# KiCad board Quanta75_BareRP2040_JLCPCBAoptimized.kicad_pcb (continued)
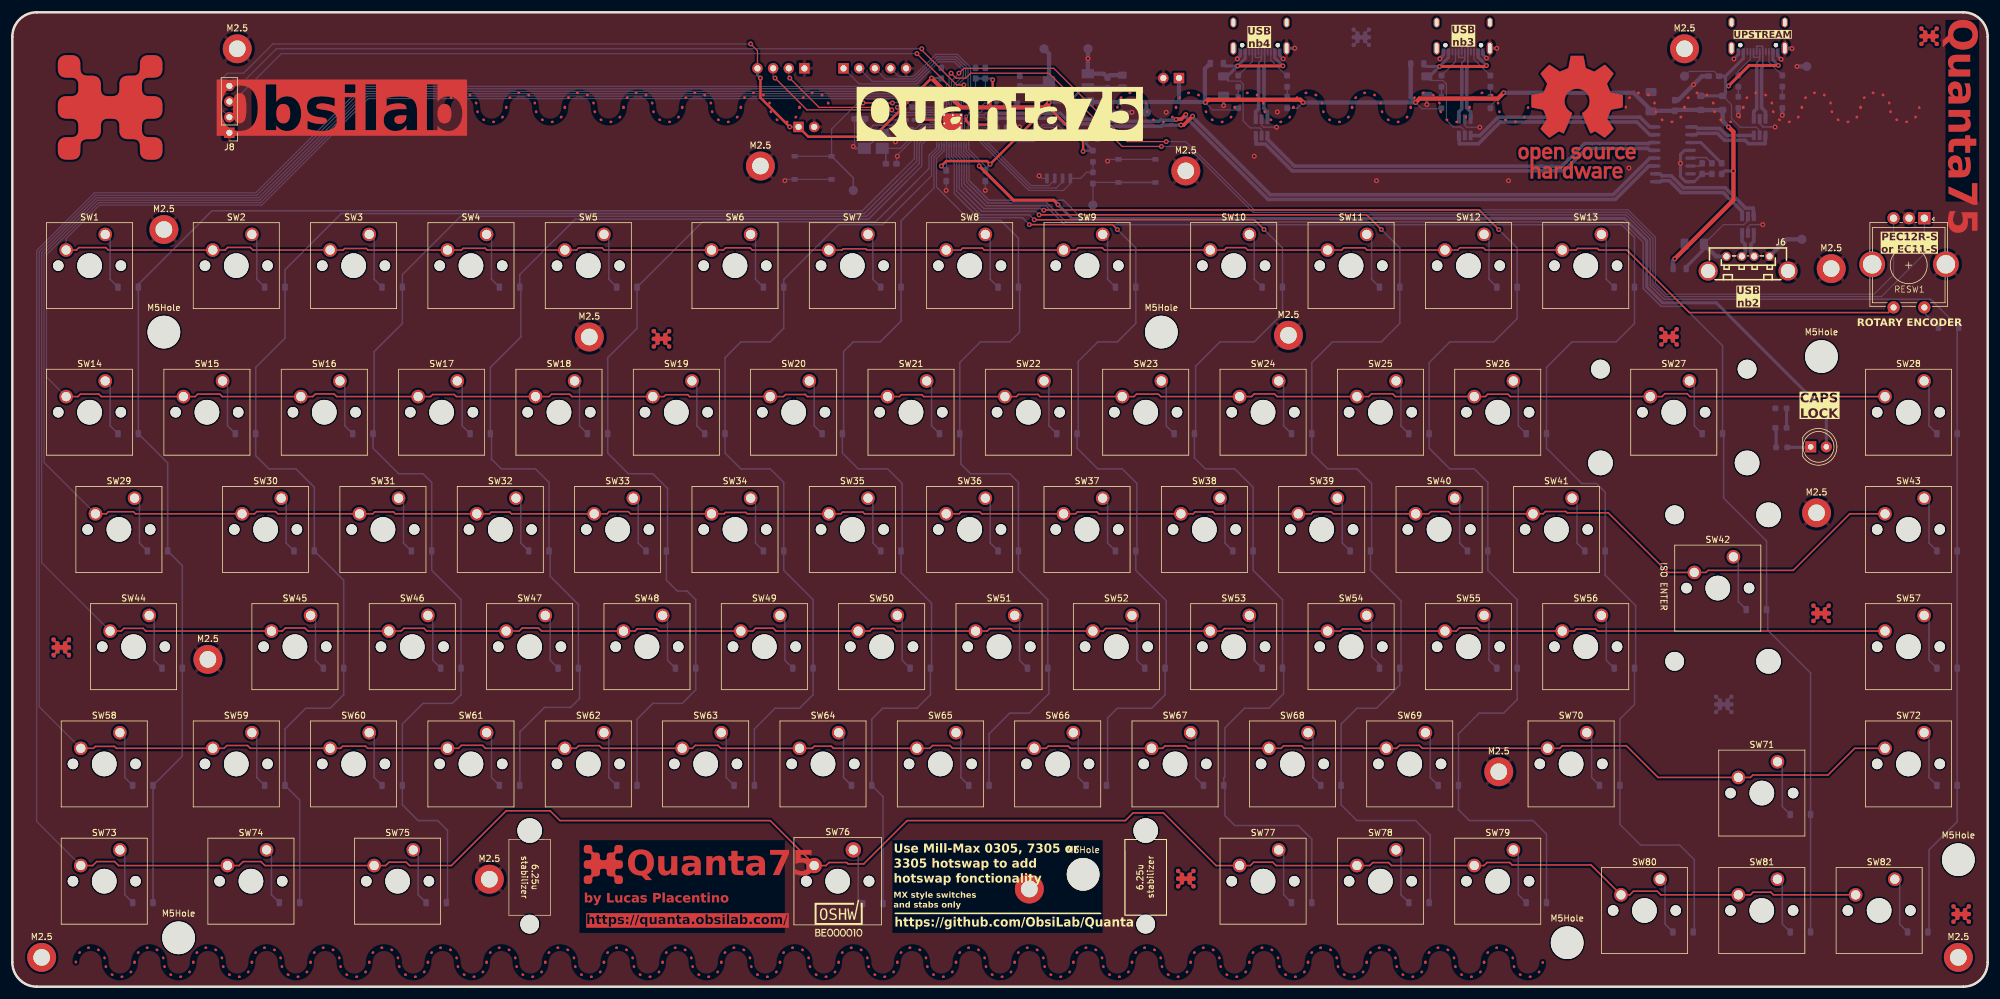
[diagram p0: board, top side]
## Routing (per net, layer and track width the routed paths; a pad name or vN(x,y) marks a point on that pad's centre or on a via; arc(x,y) is an arc through that point) (continued)
REA: length 191.6
  Top w0.2: v1(152.4,148.43) 153.19,147.64 154.78,147.64 155.58,148.43 168.28,148.43 180.18,136.53 v1(186.53,136.53)
  Bottom w0.2: RESW1.A 310.4,119.1 303.42,112.12 268.31,112.12 266.33,114.1 266.33,121.62 262.11,125.84 201.42,125.84 190.73,136.53 v1(186.53,136.53) ; v1(152.4,148.43) 152.06,148.09 U1.34
REB: length 188.1
  Top w0.2: v1(153.68,148.43) 154.47,149.22 169.07,149.22 180.98,137.32 v1(187.33,137.32)
  Bottom w0.2: v1(187.33,137.32) 190.5,137.32 201.58,126.24 262.28,126.24 266.73,121.79 266.73,114.27 268.48,112.52 302.23,112.52 305.4,115.69 RESW1.B ; 152.46,144.46 U1.35 152.46,147.21 v1(153.68,148.43)
Row1: length 457.4
  Top w0.25: RESW1.S1 304.56,109.54 272.26,109.54 262.1,119.7 257.58,119.7 257.32,119.96 254.1,119.96 253.83,119.7 SW13.2 239.15,119.7 238.77,120.08 235.02,120.08 234.64,119.7 SW12.2 219.9,119.7 219.53,120.07 216.17,120.07 215.79,119.7 SW11.2 200.55,119.7 200.16,120.09 197.12,120.09 196.73,119.7 SW10.2 177.31,119.7 176.93,120.08 173.04,120.08 172.65,119.7 SW9.2 157.77,119.7 157.44,120.03 157.42,120.01 154.27,120.01 153.96,119.7 SW8.2 138.74,119.7 138.55,119.89 134.9,119.89 134.7,119.7 SW7.2 120.13,119.7 119.76,120.07 115.81,120.07 115.44,119.7 SW6.2 96.09,119.7 95.73,120.06 91.95,120.06 91.59,119.7 SW5.2 77.03,119.7 76.74,119.99 76.73,119.98 73.18,119.98 72.9,119.7 SW4.2 57.72,119.7 57.47,119.95 53.95,119.95 53.69,119.7 SW3.2 39.06,119.7 38.64,120.12 34.97,120.12 34.55,119.7 SW2.2 15.58,119.7 15.17,120.1 10.8,120.1 10.4,119.7 SW1.2
  Bottom w0.2: SW1.2 8.73,121.56 14.17,127 40.48,127 57.78,144.3 146.44,144.3 148.27,142.47 U1.27
Row2: length 479.2
  Top w0.25: SW28.2 272.35,95.88 271.87,96.36 268.27,96.36 267.8,95.88 SW27.2 243.18,95.88 242.8,96.27 239.5,96.27 239.12,95.88 SW26.2 224.53,95.88 224.08,96.34 220.65,96.34 220.2,95.88 SW25.2 205.32,95.88 204.88,96.33 201.61,96.33 201.17,95.88 SW24.2 186.45,95.88 186.05,96.29 182.49,96.29 182.09,95.88 SW23.2 166.85,95.88 166.5,96.24 163.34,96.24 162.99,95.88 SW22.2 147.95,95.88 147.64,96.19 144.33,96.19 144.02,95.88 129.05,95.88 128.7,96.24 128.68,96.23 125.53,96.23 125.18,95.88 SW20.2 109.96,95.88 109.95,95.88 109.63,96.19 106.08,96.19 105.77,95.88 SW19.2 90.84,95.88 90.46,96.27 87.53,96.27 87.14,95.88 SW18.2 72.08,95.88 71.74,96.23 68.24,96.23 67.9,95.88 SW17.2 52.65,95.88 52.22,96.32 49.2,96.32 48.77,95.88 SW16.2 34.08,95.88 33.68,96.29 30.09,96.29 29.69,95.88 SW15.2 14.45,95.88 14.05,96.29 11.05,96.29 10.65,95.88 SW14.2
  Bottom w0.2: SW14.2 5.56,99.06 5.56,118.95 14,127.4 40.32,127.4 57.61,144.7 146.61,144.7 148.43,142.88 U1.28
Row3: length 504.3
  Top w0.25: SW29.2 15.27,76.84 15.61,77.18 19.66,77.18 20,76.84 SW30.2 39.33,76.84 39.69,77.2 42.72,77.2 43.09,76.84 SW31.2 58.52,76.84 58.83,77.15 61.87,77.15 62.18,76.84 SW32.2 77.47,76.84 77.75,77.12 80.75,77.12 81.04,76.84 SW33.2 96.54,76.84 96.9,77.2 100,77.2 100.36,76.84 SW34.2 115.54,76.84 115.76,77.06 119.09,77.06 119.31,76.84 SW35.2 134.49,76.84 134.77,77.12 138.07,77.12 138.36,76.84 SW36.2 153.71,76.84 154.03,77.16 157.03,77.16 157.38,76.8 157.41,76.84 SW37.2 172.6,76.84 172.9,77.14 176.07,77.14 176.37,76.84 SW38.2 191.71,76.84 192.01,77.14 194.88,77.14 195.18,76.84 SW39.2 210.84,76.84 211.17,77.16 214.12,77.16 214.44,76.84 SW40.2 229.92,76.84 230.28,77.2 233.16,77.2 233.52,76.84 SW41.2 248.5,76.84 248.88,77.21 252.19,77.21 252.41,76.99 259.08,76.99 268.76,67.31 SW42.2 274.96,67.31 275.3,67.65 289.11,67.65 298.29,76.84 SW43.2
  Bottom w0.2: U1.29 150.06,144.46 149.42,145.1 57.45,145.1 40.15,127.8 13.84,127.8 5.16,119.12 5.16,85.17 SW29.2
Row4: length 516.7
  Top w0.25: SW44.2 17.67,57.78 18.11,58.22 21.24,58.22 21.68,57.78 SW45.2 43.83,57.78 44.32,58.28 47.48,58.28 47.98,57.78 SW46.2 63.1,57.78 63.56,58.24 66.82,58.24 67.27,57.78 SW47.2 82.29,57.78 82.79,58.28 85.42,58.28 85.92,57.78 SW48.2 101.07,57.78 101.43,58.15 104.57,58.15 104.93,57.78 SW49.2 120.19,57.78 120.65,58.25 123.52,58.25 123.98,57.78 SW50.2 139.19,57.78 139.61,58.21 143.06,58.21 143.48,57.78 SW51.2 158.26,57.78 158.66,58.19 162.07,58.19 162.47,57.78 SW52.2 177.07,57.78 177.5,58.22 180.85,58.22 181.28,57.78 SW53.2 196.37,57.78 196.78,58.2 199.88,58.2 200.29,57.78 SW54.2 215.61,57.78 215.95,58.13 218.89,58.13 219.23,57.78 SW55.2 234.42,57.78 234.93,58.3 237.78,58.3 238.29,57.78 SW56.2 253.57,57.78 253.9,58.11 257.02,58.11 257.35,57.78 SW57.2
  Bottom w0.2: U1.30 150.46,144.63 149.58,145.5 57.28,145.5 39.98,128.2 13.67,128.2 4.76,119.28 4.76,68.9 SW44.2
Row5: length 543.8
  Top w0.25: SW58.2 13.16,38.74 13.47,39.04 16.59,39.04 16.89,38.74 SW59.2 34.38,38.74 34.83,39.19 38.18,39.19 38.64,38.74 SW60.2 53.28,38.74 53.62,39.08 57.34,39.08 57.68,38.74 SW61.2 72.43,38.74 72.91,39.22 76.33,39.22 76.81,38.74 SW62.2 91.53,38.74 91.96,39.17 95.3,39.17 95.74,38.74 SW63.2 110.39,38.74 110.86,39.21 114.56,39.21 115.03,38.74 SW64.2 129.86,38.74 130.2,39.08 132.96,39.08 133.3,38.74 SW65.2 148.93,38.74 149.38,39.19 152.18,39.19 152.63,38.74 SW66.2 167.83,38.74 168.19,39.1 171.41,39.1 171.77,38.74 SW67.2 186.73,38.74 187.12,39.13 190.52,39.13 190.92,38.74 SW68.2 205.97,38.74 206.39,39.15 209.31,39.15 209.72,38.74 SW69.2 224.72,38.74 225.19,39.21 228.41,39.21 228.89,38.74 SW70.2 251.19,38.74 251.59,39.13 261.99,39.13 262.02,39.16 267.17,34 SW71.2 282.15,34 282.55,34.4 294.75,34.4 299.09,38.74 SW72.2
  Bottom w0.2: U1.31 150.86,144.79 149.75,145.9 57,145.9 39.7,128.6 13.51,128.6 4.36,119.45 4.36,45.49 SW58.2
Row6: length 571.5
  Top w0.25: SW82.2 285.91,14.92 285.48,15.35 282.6,15.35 282.17,14.92 SW81.2 267.61,14.92 267.02,15.52 263.17,15.52 262.58,14.92 SW80.2 256.29,19.78 243.48,19.78 243.07,20.18 239.4,20.18 238.9,19.69 SW79.2 223.89,19.69 223.4,20.17 220.85,20.17 220.37,19.69 SW78.2 205.15,19.69 204.61,20.23 201.51,20.23 200.97,19.69 SW77.2 195.42,19.69 186.87,28.24 181.94,28.24 180.69,26.99 145.26,26.99 138.21,19.94 135.67,19.94 135.44,20.18 132.59,20.18 132.1,19.69 SW76.1 130.18,19.84 123.03,26.99 88.9,26.99 87.31,28.57 80.17,28.57 71.28,19.69 64.49,19.69 63.95,20.22 61.15,20.22 60.61,19.69 SW75.2 40.99,19.69 40.34,20.33 37.47,20.33 36.82,19.69 SW74.2 17.25,19.69 16.6,20.33 13.7,20.33 13.05,19.69 SW73.2
  Bottom w0.2: SW73.2 3.96,26.84 3.96,119.62 13.34,129 39.53,129 56.83,146.3 149.92,146.3 151.26,144.96 U1.32
USB1_D+: length 116
  Top w0.584: v1(189.71,140.02) 190.17,140.02 v1(191.6,141.45)
  Bottom w0.584: v1(189.71,140.02) 186.72,140.02 186.53,139.83 177.22,139.83 176.87,140.18 170.75,140.18 169.81,141.12 159.97,141.12 R19.2 ; U2.4 265.83,134.63 259.89,128.69 204.2,128.69 191.6,141.3 v1(191.6,141.45)
USB1_D-: length 116.1
  Top w0.584: v1(190.5,141.71) 189.76,140.97 188.97,140.97
  Top w0.7: 188.97,140.97 v1(188.91,140.91)
  Bottom w0.584: v1(188.91,140.91) 188.81,140.8 186.39,140.8 186.21,140.62 177.55,140.62 177.19,140.97 171.07,140.97 170.13,141.91 159.91,141.91 R20.2 ; U2.3 265.65,133.35 260.21,127.91 203.88,127.91 190.5,141.29 v1(190.5,141.71)
USB2_D+: length 19.6
  Bottom w0.584: 282.63,125.25 282.63,126.5 281.38,126.5 278.07,129.81 271.26,129.81 269.32,131.75 267.81,131.75 267.48,132.08 U2.2
  Bottom w0.7: D84.6 282.63,125.25
USB2_D-: length 17
  Bottom w0.584: U2.1 267.58,130.81 267.74,130.97 268.99,130.97 270.93,129.03 277.74,129.03 280.81,125.97 D84.4
USB3_D+: length 31.9
  Bottom w0.584: U2.8 265.83,139.7 264.24,141.29 241.21,141.29 238.21,138.29 D85.4
USB3_D-: length 35.5
  Bottom w0.584: D85.6 234.91,138.22 234.91,136.96 237.99,136.96 241.54,140.5 263.75,140.5 265.82,138.43 U2.7
USB4_D+: length 66.9
  Bottom w0.584: D86.4 203.75,137.7 208.11,133.34 251.58,133.34 255.24,137 265.67,137 265.83,137.16 U2.6
USB4_D-: length 69.6
  Bottom w0.584: D86.6 201.93,138.18 201.93,136.93 203.42,136.93 207.79,132.56 251.91,132.56 255.57,136.22 265.5,136.22 265.83,135.89 U2.5
USB_UP_D+: length 13.9
  Bottom w0.25: J1.A6 283.16,152.79 283.18,152.82 284.05,152.82 284.16,152.71 J1.B6 284.16,151.13 284.16,151.12 284.16,149.53
  Bottom w0.584: 284.13,149.42 283.97,149.25 283.97,142.82 284.61,142.18 D83.3
USB_UP_D-: length 13.1
  Bottom w0.25: J1.B7 282.66,151.04 282.68,151.02 283.56,151.02 283.66,151.12 ; 283.18,149.54 283.18,150.14 283.66,150.62 283.66,151.12 ; 283.66,151.12 J1.A7
  Bottom w0.584: 283.18,149.42 283.18,142.66 282.71,142.18 D83.1
Net-(C11-Pad1): length 9.6
  Bottom w0.25: 144.19,138.75 143.88,138.75 ; C11.1 138.45,138.65 ; R18.2 143.48,139.97 139.76,139.97 Y1.1
  Bottom w0.4: 138.45,138.65 Y1.1
Net-(D1-A): length 9.4
  Bottom w0.25: SW1.1 15.88,121.44 15.88,114.95 D1.2
Net-(D2-A): length 9.4
  Bottom w0.25: SW2.1 39.69,121.44 39.69,114.95 D2.2
Net-(D3-A): length 9.4
  Bottom w0.25: SW3.1 58.74,121.44 58.74,114.95 D3.2
Net-(D4-A): length 9.4
  Bottom w0.25: D4.2 77.79,114.95 77.79,121.44 SW4.1
Net-(D5-A): length 9.4
  Bottom w0.25: SW5.1 96.84,121.44 96.84,114.95 D5.2
Net-(D6-A): length 9.4
  Bottom w0.25: 121.93,113.67 120.65,114.95 120.65,121.44 SW6.1
Net-(D7-A): length 9.4
  Bottom w0.25: D7.2 139.7,114.95 139.7,121.44 SW7.1
Net-(D8-A): length 9.4
  Bottom w0.25: D8.2 158.75,114.95 158.75,121.44 SW8.1
Net-(D9-A): length 9.4
  Bottom w0.25: SW9.1 177.8,121.44 177.8,114.95 D9.2
Net-(D10-A): length 9.4
  Bottom w0.25: SW10.1 201.61,121.44 201.61,114.95 D10.2
Net-(D11-A): length 9.4
  Bottom w0.25: D11.2 220.66,114.95 220.66,121.44 SW11.1
Net-(D12-A): length 9.4
  Bottom w0.25: D12.2 239.71,114.95 239.71,121.44 SW12.1
Net-(D13-A): length 9.4
  Bottom w0.25: SW13.1 258.76,121.44 258.76,114.95 D13.2
Net-(D14-A): length 9.4
  Bottom w0.25: SW14.1 15.88,97.63 15.88,91.14 D14.2
Net-(D15-A): length 9.4
  Bottom w0.25: D15.2 34.93,91.14 34.93,97.63 SW15.1
Net-(D16-A): length 9.4
  Bottom w0.25: SW16.1 53.98,97.63 53.98,91.14 D16.2
Net-(D17-A): length 9.4
  Bottom w0.25: D17.2 73.03,91.14 73.03,97.63 SW17.1
Net-(D18-A): length 9.4
  Bottom w0.25: D18.2 92.08,91.14 92.08,97.63 SW18.1
Net-(D19-A): length 9.4
  Bottom w0.25: SW19.1 111.13,97.63 111.13,91.14 D19.2
Net-(D20-A): length 9.4
  Bottom w0.25: SW20.1 130.18,97.63 130.18,91.14 D20.2
Net-(D21-A): length 9.4
  Bottom w0.25: D21.2 149.23,91.14 149.23,97.63 SW21.1
Net-(D22-A): length 9.4
  Bottom w0.25: SW22.1 168.28,97.63 168.28,91.14 D22.2
Net-(D23-A): length 9.4
  Bottom w0.25: SW23.1 187.33,97.63 187.33,91.14 D23.2
Net-(D24-A): length 9.4
  Bottom w0.25: SW24.1 206.38,97.63 206.38,91.14 D24.2
Net-(D25-A): length 9.4
  Bottom w0.25: D25.2 225.43,91.14 225.43,97.63 SW25.1
Net-(D26-A): length 9.4
  Bottom w0.25: SW26.1 244.48,97.63 244.48,91.14 D26.2
Net-(D27-A): length 9.4
  Bottom w0.25: D27.2 273.05,91.14 273.05,97.63 SW27.1
Net-(D28-A): length 9.4
  Bottom w0.25: D28.2 311.15,91.14 311.15,97.63 SW28.1
Net-(D29-A): length 9.4
  Bottom w0.25: D29.2 20.64,72.09 20.64,78.58 SW29.1
Net-(D30-A): length 9.4
  Bottom w0.25: D30.2 44.45,72.09 44.45,78.58 SW30.1
Net-(D31-A): length 9.4
  Bottom w0.25: D31.2 63.5,72.09 63.5,78.58 SW31.1
Net-(D32-A): length 9.4
  Bottom w0.25: D32.2 82.55,72.09 82.55,78.58 SW32.1
Net-(D33-A): length 9.4
  Bottom w0.25: SW33.1 101.6,78.58 101.6,72.09 D33.2
Net-(D34-A): length 9.4
  Bottom w0.25: 121.93,70.81 120.65,72.09 120.65,78.58 SW34.1
Net-(D35-A): length 9.4
  Bottom w0.25: D35.2 139.7,72.09 139.7,78.58 SW35.1
Net-(D36-A): length 9.4
  Bottom w0.25: SW36.1 158.75,78.58 158.75,72.09 D36.2
Net-(D37-A): length 9.4
  Bottom w0.25: SW37.1 177.8,78.58 177.8,72.09 D37.2
Net-(D38-A): length 9.4
  Bottom w0.25: D38.2 196.85,72.09 196.85,78.58 SW38.1
Net-(D39-A): length 9.4
  Bottom w0.25: SW39.1 215.9,78.58 215.9,72.09 D39.2
Net-(D40-A): length 9.4
  Bottom w0.25: SW40.1 234.95,78.58 234.95,72.09 D40.2
Net-(D41-A): length 9.4
  Bottom w0.25: 255.28,70.81 254,72.09 254,78.58 SW41.1
Net-(D42-A): length 9.4
  Bottom w0.25: SW42.1 280.19,69.06 280.19,62.56 D42.2
Net-(D43-A): length 9.4
  Bottom w0.25: SW43.1 311.15,78.58 311.15,72.09 D43.2
Net-(D44-A): length 9.4
  Bottom w0.25: D44.2 23.02,53.04 23.02,59.53 SW44.1
Net-(D45-A): length 9.4
  Bottom w0.25: SW45.1 49.21,59.53 49.21,53.04 D45.2
Net-(D46-A): length 9.4
  Bottom w0.25: SW46.1 68.26,59.53 68.26,53.04 D46.2
Net-(D47-A): length 9.4
  Bottom w0.25: D47.2 87.31,53.04 87.31,59.53 SW47.1
Net-(D48-A): length 9.4
  Bottom w0.25: D48.2 106.36,53.04 106.36,59.53 SW48.1
Net-(D49-A): length 9.4
  Bottom w0.25: D49.2 125.41,53.04 125.41,59.53 SW49.1
Net-(D50-A): length 9.4
  Bottom w0.25: SW50.1 144.46,59.53 144.46,53.04 D50.2
Net-(D51-A): length 9.4
  Bottom w0.25: D51.2 163.51,53.04 163.51,59.53 SW51.1
Net-(D52-A): length 9.4
  Bottom w0.25: D52.2 182.56,53.04 182.56,59.53 SW52.1
Net-(D53-A): length 9.4
  Bottom w0.25: SW53.1 201.61,59.53 201.61,53.04 D53.2
Net-(D54-A): length 9.4
  Bottom w0.25: SW54.1 220.66,59.53 220.66,53.63 221.94,52.35 D54.2
Net-(D55-A): length 9.4
  Bottom w0.25: D55.2 239.71,53.04 239.71,59.53 SW55.1
Net-(D56-A): length 9.4
  Bottom w0.25: SW56.1 258.76,59.53 258.76,53.04 D56.2
Net-(D57-A): length 9.4
  Bottom w0.25: D57.2 311.15,53.04 311.15,59.53 SW57.1
Net-(D58-A): length 9.4
  Bottom w0.25: SW58.1 18.26,40.48 18.26,33.99 D58.2
Net-(D59-A): length 9.4
  Bottom w0.25: D59.2 39.69,33.99 39.69,40.48 SW59.1
Net-(D60-A): length 9.4
  Bottom w0.25: SW60.1 58.74,40.48 58.74,33.99 D60.2
Net-(D61-A): length 9.4
  Bottom w0.25: D61.2 77.79,33.99 77.79,40.48 SW61.1
Net-(D62-A): length 9.4
  Bottom w0.25: SW62.1 96.84,40.48 96.84,33.99 D62.2
Net-(D63-A): length 9.4
  Bottom w0.25: D63.2 115.89,33.99 115.89,40.48 SW63.1
Net-(D64-A): length 9.4
  Bottom w0.25: SW64.1 134.94,40.48 134.94,33.99 D64.2
Net-(D65-A): length 9.4
  Bottom w0.25: SW65.1 153.99,40.48 153.99,33.99 D65.2
Net-(D66-A): length 9.4
  Bottom w0.25: D66.2 173.04,33.99 173.04,40.48 SW66.1
Net-(D67-A): length 9.4
  Bottom w0.25: D67.2 192.09,33.99 192.09,40.48 SW67.1
Net-(D68-A): length 9.4
  Bottom w0.25: D68.2 211.14,33.99 211.14,40.48 SW68.1
Net-(D69-A): length 9.4
  Bottom w0.25: SW69.1 230.19,40.48 230.19,33.99 D69.2
Net-(D70-A): length 9.4
  Bottom w0.25: SW70.1 256.38,40.48 256.38,33.99 D70.2
Net-(D71-A): length 9.4
  Bottom w0.25: SW71.1 287.34,35.75 287.34,29.25 D71.2
Net-(D72-A): length 9.4
  Bottom w0.25: SW72.1 311.15,40.48 311.15,33.99 D72.2
Net-(D73-A): length 9.4
  Bottom w0.25: SW73.1 18.26,21.43 18.26,14.94 D73.2
Net-(D74-A): length 9.4
  Bottom w0.25: D74.2 42.07,14.94 42.07,21.43 SW74.1
Net-(D75-A): length 9.4
  Bottom w0.25: D75.2 65.88,14.94 65.88,21.43 SW75.1
Net-(D76-A): length 9.4
  Bottom w0.25: SW76.2 137.32,21.43 137.32,14.22 D76.2
Net-(D77-A): length 9.4
  Bottom w0.25: D77.2 206.38,14.94 206.38,21.43 SW77.1
Net-(D78-A): length 9.4
  Bottom w0.25: SW78.1 225.43,21.43 225.43,14.94 D78.2
Net-(D79-A): length 9.4
  Bottom w0.25: SW79.1 244.48,21.43 244.48,14.94 D79.2
Net-(D80-A): length 9.4
  Bottom w0.25: SW80.1 268.29,16.67 268.29,10.18 D80.2
Net-(D81-A): length 9.4
  Bottom w0.25: SW81.1 287.34,16.67 287.34,10.18 D81.2
Net-(D82-A): length 9.4
  Bottom w0.25: SW82.1 306.39,16.67 306.39,10.18 D82.2
Net-(D84-VP): length 19.1
  Bottom w0.2: D84.5 281.76,124.47 281.12,123.83 277.79,123.83 C8.2
  Bottom w0.5: C8.2 274.61,119.83 271.73,116.95 FB5.2
  Bottom w0.7: J6.1 276.59,118.67 C8.2
Net-(D85-VP): length 33
  Top w0.5: 239.3,149.68 239.15,149.52 v1(231.69,149.52)
  Bottom w0.2: D85.5 235.78,139.07 235.17,139.68 233.91,139.68 232.8,140.79 232.8,146.68 232.24,147.25 230.29,147.25 C5.1
  Bottom w0.5: J9.B4 237.93,151.05 v1(239.31,149.68) ; FB6.2 229.56,149.52 v1(231.69,149.52) ; v1(231.69,149.52) 233.13,150.97 J9.A4 ; v1(231.69,149.52) 230.07,147.91 C5.1
Net-(D86-VP): length 32.7
  Top w0.5: v1(206.26,149.62) 206.25,149.61 v1(198.92,149.61)
  Bottom w0.2: C6.1 197.4,147.14 199.35,147.14 199.81,146.68 199.81,140.69 200.96,139.54 202.5,139.54 202.8,139.24 D86.5
  Bottom w0.5: J7.A4 200.14,150.83 v1(198.92,149.61) ; FB7.2 197,149.61 v1(198.92,149.61) ; C6.1 197.22,147.91 v1(198.92,149.61) ; J7.B4 204.94,150.93 v1(206.26,149.62)
Net-(D87-K): length 3.8
  Bottom w0.5: D87.1 291.86,87.63 R12.1
Net-(J1-CC1): length 4.7
  Bottom w0.2: R4.1 280.19,148.74 282.16,150.71 J1.A5
Net-(J1-CC2): length 4.8
  Bottom w0.2: J1.B5 285.16,150.24 R2.1
Net-(J7-CC1): length 4.8
  Bottom w0.2: R5.1 201.29,150.33 J7.A5
Net-(J7-CC2): length 5
  Bottom w0.2: R8.1 206.83,148.05 204.29,150.59 J7.B5
Net-(J9-CC1): length 4.8
  Bottom w0.2: J9.A5 234.28,150.33 R10.1
Net-(J9-CC2): length 5
  Bottom w0.2: J9.B5 237.28,150.71 R7.1
Net-(R1-Pad1): length 1.6
  Bottom w0.2: R4.2 R1.1
Net-(R2-Pad2): length 1.6
  Bottom w0.2: R2.2 R3.1
Net-(R5-Pad2): length 1.7
  Bottom w0.2: R5.2 199.01,144.58 R6.1
Net-(R8-Pad2): length 1.7
  Bottom w0.2: R9.1 206.95,144.57 R8.2
Net-(R10-Pad2): length 1.7
  Bottom w0.2: R10.2 232.01,144.58 R14.1
Net-(R11-Pad1): length 1.7
  Bottom w0.2: R11.1 239.95,144.57 R7.2
Net-(R12-Pad2): length 3.2
  Bottom w0.5: R12.2 286.33,90.69 R13.1
Net-(R13-Pad2): length 3.2
  Bottom w0.5: R13.2 R15.1
Net-(RESWD1-A): length 4.2
  Bottom w0.25: RESWD1.2 312.68,107.22 310.4,109.5 RESW1.S2
Net-(U2-VDD5): length 6.4
  Bottom w0.5: C3.1 274.12,137.16 U2.11
Net-(U2-VDD18): length 2.1
  Bottom w0.25: U2.14 273.88,133.35 C2.1
Net-(U2-VDD33): length 3.9
  Bottom w0.25: C1.1 274.97,134.72 272.53,134.72 U2.13

## Copper pours and planes (outline as drawn; the poured copper is in the pictures)
GND on Top, Bottom: 0,158.75 320.68,158.75 320.68,0 0,0

Small or netless copper shapes (teardrops, artwork), in the pictures only: 8 on Top, 10 on Bottom

## Text on the board
B.Silkscreen: M5 | 3V3 | GND | SDA | SCL | I²C OLED | SWCLK | SWD | GPIO25 | GPIO26 | GPIO29 | GPIO30 | 5V | 0bsilab | MX style switches / and stabs only | https://github.com/ObsiLab/rmk_firmware / https://rmk.obsilab.com/ | USB / nb4 | USB / nb3 | USB / nb2 | UPSTREAM | Try the Quanta with RMK firmware | Use Mill-Max 0305, 7305 or / 3305 hotswap to add / hotswap fonctionality | https://github.com/ObsiLab/Quanta | https://quanta.obsilab.com/ | by Lucas Placentino | Quanta75
Top: 0bsilab | Quanta75 | by Lucas Placentino | https://quanta.obsilab.com/
F.Mask: 0bsilab | Quanta75 | by Lucas Placentino | https://quanta.obsilab.com/
F.Silkscreen: ISO ENTER | MX style switches / and stabs only | UPSTREAM | USB / nb4 | USB / nb3 | USB / nb2 | ROTARY ENCODER | PEC12R-S / or EC11-S | Use Mill-Max 0305, 7305 or / 3305 hotswap to add / hotswap fonctionality | https://github.com/ObsiLab/Quanta | CAPS / LOCK | Quanta75
